# Altium PCB openmv-stm32n.PcbDoc (part 4 of 5) (continued)
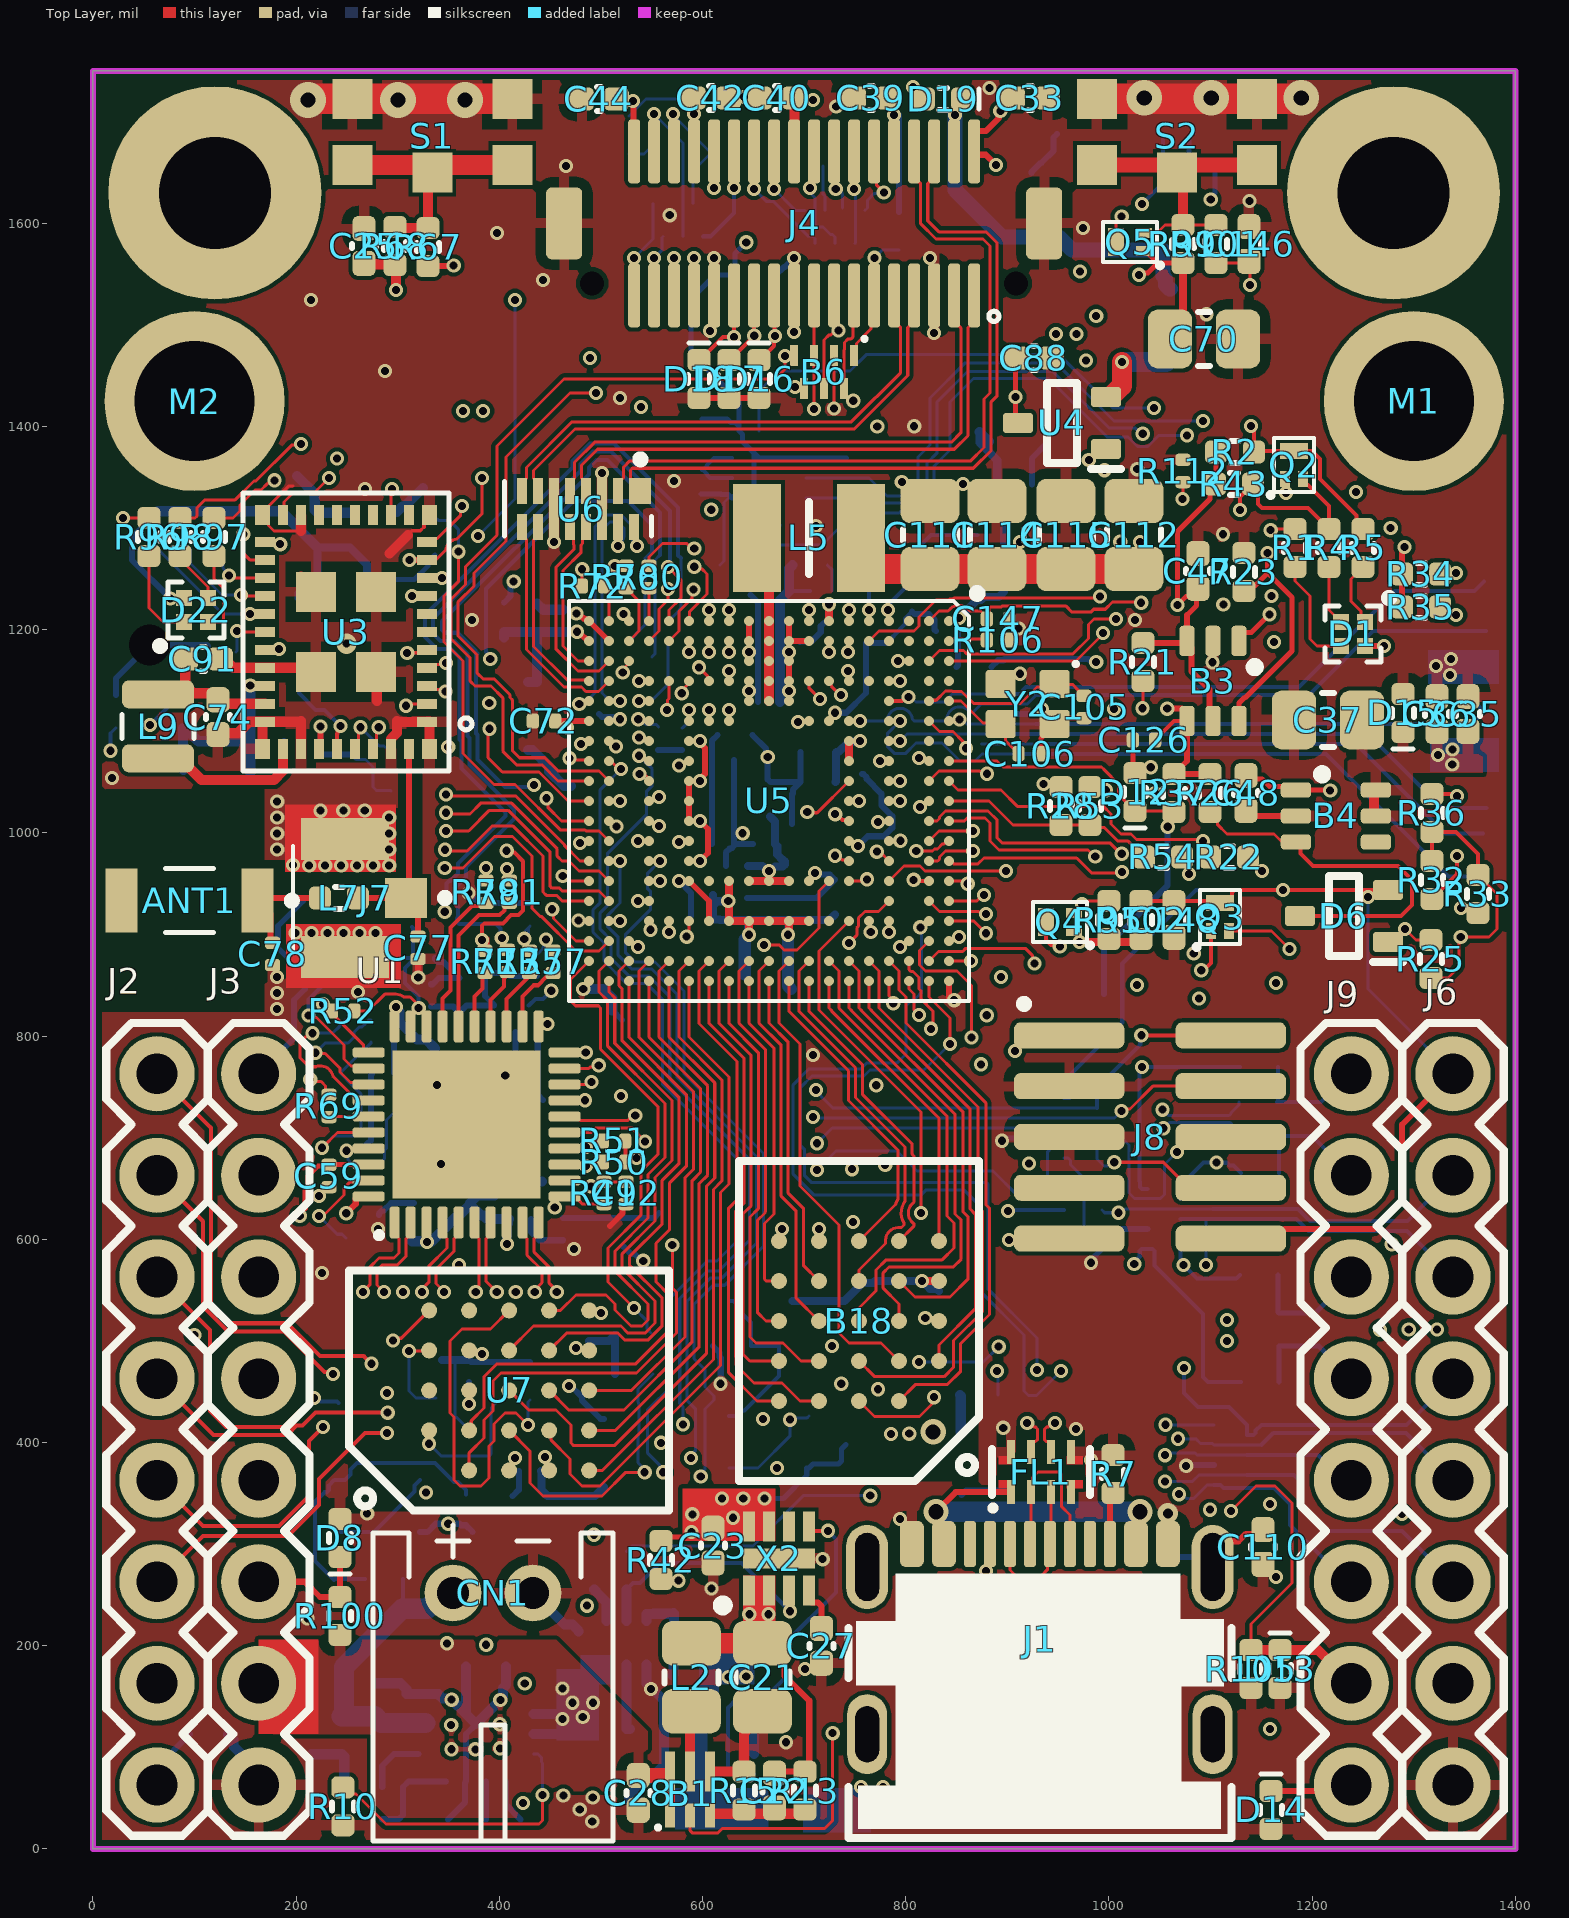
[diagram p0: Top Layer view]
## Nets (pads, with @x,y where several pads share a name; then routed paths per layer and width w, separated by ;. In a path a pad name is that pad's centre, name@x,y a point inside that pad or via, vN(x,y) a via of type N, cw(c..) or ccw(c..) an arc to the next point about the centre after c; other vN are vias at no path point) (continued)
  Bottom Layer w8: R91.1@343.5,481.3 356.7,481.3 369.91,481.3 C17.1@370.08,481.47 ; C18.1@441.12,372.05 441.33,371.84 441.33,353.36 C66.2@447.24,347.44 494.09,347.44 C67.2@502.95,356.3 ; C16.1@488.19,499.83 507.7,499.83 R89.1@513.78,505.91 R92.1@513.78,467.52 ; C125.1@610.41,938.98 610.41,928.64 ; v1(625.2,933.03) 624.97,932.79 614.56,932.79 610.41,928.64 ; v1(645.67,899.9) 644.68,900.89 644.68,913.21 C122.1@643.7,914.2 ; v1(684.04,899.9) 684.54,900.4 684.54,913.7 C121.1@685.04,914.2 ; D9.1@688.48,539.37 739.76,539.37 757.47,557.09 C69.1@767.72,557.09 769.69,559.06 v1(815.94,559.06) 823.63,551.39 830.68,551.39 C20.1@832.68,549.39 ; C144.1@730.32,919.88 724.63,914.2 C119.1@705.71,914.2 C121.1@685.04,914.2 ; 610.41,928.64 C124.1@610.41,918.31 610.41,916.81 612.41,914.81 616.49,914.81 617.1,914.2 C122.1@643.7,914.2 ; C122.1@643.7,914.2 C123.1@664.37,914.2 C121.1@685.04,914.2
  Bottom Layer w12: C142.2@641.5,860.72 641.5,895.19 645.67,899.36 v1(645.67,899.9) ; v1(684.04,899.9) 684.04,849.42 C96.2@687.01,846.46
  other v1: 829.72,31.5 819.88,53.15 755.91,61.02 777.56,61.02 800.2,62.01 817.91,71.85 444.88,385.83 382.87,487.2 475.35,493.1 714.57,610.24
VCC_3.3V: C21.1 C22.2 C70.2 C71.1 C73.1 C81.1 C83.1 L2.2 Q4.1 Q5.1 R13.2 R95.2 R99.2 R102.1 U4.1 U5.J14 U5.K14 U5.L14 X2.1 X2.2 | length 2920
  Top Layer w5: v1(1029.44,1549.37) 1031.13,1551.06 1038.26,1551.06 1048.23,1561.02 ; Q5.1@1034.45,1572.83 1037.4,1572.83 1039.82,1570.41 1039.82,1569.43 1048.23,1561.02 ; R99.2@1072.83,1561.02 1048.23,1561.02
  Top Layer w6: C21.1@662.39,202.46 680.72,184.13 680.72,170.28 705,146 705,80.45 R13.2@700.75,76.2 670.75,76.2 C22.2@670.75,74.62
  Top Layer w8: U5.L14@645.67,952.76 U5.K14@665.35,952.76 U5.J14@685.04,952.76 ; v1(971.07,892.8) 1028.63,892.8 R102.1@1031.5,895.67 ; C70.2@1060.04,1486.22 1072.83,1499.02 R99.2@1072.83,1561.02
  Top Layer w20: L2.2@589,202.46 C21.1@662.39,202.46
  L4 w8: v1(980.17,1367.19) 980.17,1426.03 995.08,1440.94 995.08,1488.19 1007.87,1500.98 1007.87,1527.8 v1(1029.44,1549.37)
  L5Z w8: v1(665.35,962.6) 665.35,946.85 745.08,867.13 848.43,867.13 876.97,838.58 933.07,838.58 971.07,876.58 v1(971.07,892.8) 954.72,909.15 954.72,1341.75 v1(980.17,1367.19)
  L7P w8: 623.03,858.27 801.18,858.27 839.57,819.88 858.27,819.88 864.63,826.24 864.63,826.78 878.39,840.55 930.12,840.55 971.07,881.51 v1(971.07,892.8) ; v1(646,231) 646,294.62 710.63,359.25 710.63,538.39 733.27,561.02 733.27,613.19 623.03,723.43 623.03,908.46 665.35,950.79 v1(665.35,962.6)
  Bottom Layer w8: C71.1@644.86,967.52 658.81,967.52 663.73,962.6 v1(665.35,962.6) 666.98,962.6 671.35,966.97 678.93,966.97 680.93,968.97 C81.1@680.93,970.47 680.93,971.97 678.93,973.97 678.12,973.97 673.43,978.66 673.43,987.17 C83.1@671.43,989.17 671.43,1011.24 C73.1@666.34,1016.34 ; v1@1029.44,1547.75 v1(1029.44,1549.37)
  other v1: 665,231
VCC_3.3V_BAT: C86.1 C88.1 U4.3 U5.F1 | length 380.7
  Top Layer w5: C88.1@909.06,1467.52 907.88,1466.34 v1(907.88,1429.2) 907.88,1406.1 U4.3@910.43,1403.54
  L5Z w10: v1(744.09,1219.49) 744.09,1329.72 792.32,1377.95 856.63,1377.95 v1(907.88,1429.2)
VCC_3.3V_GATED: B3.3 B3.5 B4.1 B15.5 C13.1 C14.1 C15.1 C23.1 C24.1 C32.1 C33.2 C39.2 C40.2 C42.2 C43.1 C44.2 C45.1 C46.2 C47.2 C48.1 C75.1 C76.1 C89.1 C92.2 C93.2 C94.1 C113.2 D1.4 D4.1 D10.1 D14.1 D20.1 D22.4 J2.1 J4.2 J4.10 J4.20 J4.30 J4.36 J8.1 J9.1 L6.1 L8.1 R2.2 R19.1 R20.1 R21.2 R22.2 R24.2 R29.2 R30.2 R31.2 R42.2 R43.2 R53.1 R60.1 R61.2 R62.2 R63.2 R64.2 R65.2 R66.2 R67.2 U3.30 U3.36 U5.C3 U8.2 U8.3 U8.5 U8.8 U8.12 U9.5 U10.5 X1.1 X1.4 X2.7 X2.8 | length 3394.8
  Top Layer w5: R42.2@559.06,303.15 563.14,307.23 584.23,307.23 v1(589,312) ; 1076.77,1214.37 1086.18,1223.78 C47.2@1086.18,1239.33 ; C47.2@1087.6,1240.75 C47.2@1086.18,1239.33 ; R2.2@1105.31,1375 1105.31,1344.49 R43.2@1104.33,1343.5 1099.44,1338.62 1099.44,1328.77 1067.45,1296.78 v1(1067.45,1224.34) 1076.08,1232.97 1079.82,1232.97 C47.2@1086.18,1239.33 ; C48.1@1134.84,1056.5 1138.19,1053.15 1150.59,1053.15 1157.83,1045.91 1182.44,1045.91 B4.1@1186.02,1042.32 ; B4.1@1184.05,1042.32 B4.1@1186.02,1042.32 ; v1(1217.68,1041.77) 1217.13,1042.32 B4.1@1186.02,1042.32
  Top Layer w6: U3.36@222.43,1082.84 223.93,1084.34 223.93,1104.75 v1(223.81,1104.87) ; R67.2@329.72,1558.07 354.45,1558.07 v1(354.97,1558.59) ; C44.2@515.16,1722.44 516.14,1721.46 530.97,1721.46 532.1,1720.32 532.1,1671.45 J4.36@532.68,1670.87 ; J4.2@867.32,1670.87 867.32,1687.84 870.22,1690.75 878.71,1690.75 891.51,1703.54 891.51,1709.01 v1(893.04,1710.54) ; J4.2@870.22,1667.55 878.71,1667.55 v1(888.78,1657.48) ; R21.2@1033.46,1187.01 B3.3@1076.77,1187.01 ; 1076.77,1214.37 B3.3@1076.77,1188.98 B3.3@1076.77,1187.01 ; B3.5@1102.36,1112.2 1099.05,1115.52 1099.05,1141.11 1081.07,1159.08 1081.07,1182.71 B3.3@1076.77,1187.01 ; D14.1@1159.45,57.08 1232.66,57.08 J9.1@1238.58,63 ; D1.4@1251.97,1184.06 v1(1270.67,1184.06)
  Top Layer w10: J4.20@690.16,1670.87 690.35,1670.87 C40.2@690.35,1723.43
  L4 w5: v1(907.48,785.43) 992.13,785.43
  L4 w10: 228.35,875 230.32,876.97 418.85,876.97 v1(451.03,844.78) ; v1(792.32,1169.29) 852.36,1169.29 927.17,1094.49 942.91,1094.49 992.13,1143.7 1014.76,1143.7
  Bottom Layer w3: C93.2@254,1077.13 258.73,1072.39 268.16,1072.39 275.59,1064.96 275.59,1045.28 277.57,1043.3 279.15,1041.72 292.93,1041.72 R60.1@293.31,1041.34 ; R31.2@527.56,1705.71 544.29,1722.44 576.77,1722.44 v1(591.54,1707.68) ; R20.1@617.13,1263.78 621.06,1267.72 621.06,1325.22 625.56,1329.72 U8.5@628.85,1329.72
  Bottom Layer w4: L8.1@428.89,830.13 435.56,836.8 443.05,836.8 v1(451.03,844.78)
  Bottom Layer w5: X1.1@284.54,1249.63 316.55,1249.63 329.56,1262.63 329.56,1266.57 R62.2@336.61,1273.62 ; C45.1@598.57,1333.48 617.93,1333.48 618.18,1333.22 625.35,1333.22 U8.5@628.85,1329.72 630.97,1331.84 643.85,1331.84 ; C43.1@599.41,1407.65 624.08,1407.65 627.83,1403.91 632.33,1403.91 U8.8@635.83,1400.41 ; v1(642.97,1581.36) 631.89,1570.28 R29.2@631.89,1549.21 612.2,1549.21 588.58,1525.59 588.58,1472.44 R19.1@622.05,1438.98 635.83,1425.2 U8.8@635.83,1400.41 ; v1(661,345) 679.65,345 702.55,367.9 U9.5@702.55,375 ; U8.2@675.2,1302.91 U8.3@655.51,1302.91 655.51,1320.17 643.85,1331.84 ; U9.5@704.72,375 708.58,378.86 733.7,378.86 736.63,381.79 736.63,393.72 C14.1@741.14,398.23 ; C46.2@741.73,1369.09 U8.12@701.85,1369.09 655.51,1369.09 650.59,1374.02 ; U8.8@635.83,1400.41 U8.8@635.83,1395.91 639.33,1392.41 639.33,1385.28 650.59,1374.02 ; 643.85,1331.84 650.59,1338.58 650.59,1374.02
  Bottom Layer w6: J2.1@63,63 63,80.68 D4.1@95.32,113 ; R64.2@64,1316.7 38.39,1291.09 38.39,1268.56 v1(76.06,1230.89) ; v1(223.81,1104.87) 223.81,1077.31 C76.1@224,1077.13 C93.2@254,1077.13 ; U10.5@321.85,312.01 329.29,312.01 337.37,320.08 v1(349.67,320.08) 360.71,320.08 362.17,318.61 367.02,318.61 C15.1@373.62,312.01 ; L6.1@521.76,593.28 529.35,585.7 532.99,585.7 539.79,578.9 v1(541.63,578.9) ; v1(788.39,1706.69) 793.31,1706.69 R24.2@793.31,1611.22 ; C32.1@923.63,1649.57 923.63,1650.44 932.7,1659.51 933.58,1659.51 945.57,1671.51 945.57,1684.73 D20.1@948.82,1687.99
  Bottom Layer w8: X1.4@202.57,1231.23 202.57,1235.93 221,1254.36 C113.2@221,1280.87 C24.1@253,1280.87 269.74,1264.13 269.74,1234.92 X1.1@273.43,1231.23
  Bottom Layer w10: R64.2@64,1316.7 R66.2@96,1316.7 R63.2@127,1316.7 R65.2@158,1316.7 185.17,1316.7 C113.2@221,1280.87 ; C13.1@88.98,1062.01 88.58,1062.4 B15.5@88.58,1103.46 92.5,1103.46 97.77,1098.2 97.77,1096.25 103.71,1090.31 C75.1@153.55,1090.31 ; C92.2@154.84,1059.83 v1(154.84,1145.3)
  other v1: 630,326 589.93,329.38 619,345 640,345 1150.59,962.6 997.11,1042.03 531.5,1720.47 708.66,1721.46
VCC_SD_IO: B3.4 C126.1 C127.1 C140.1 C143.1 R25.1 R26.1 R32.1 R33.1 R34.1 R35.1 R36.1 R37.1 U5.F7 U5.F8 | length 1714
  Top Layer w3: R25.1@1316.93,857.28 1333.66,857.28 1344.49,868.11 1344.49,895.88 v1(1346.25,897.64) 1374.02,897.64 1381.89,905.51 1381.89,939.96 R33.1@1363.19,958.66
  Top Layer w4: C126.1@1045.45,1091.54 1045.45,1092.49 1049.37,1096.42 1050.33,1096.42 1064.15,1110.24 B3.4@1076.77,1110.24 ; R32.1@1317.91,972.44 R36.1@1317.91,1000.98 1341.54,1000.98 1363.19,979.33 R33.1@1363.19,958.66
  Top Layer w6: v1(1057.3,1122.35) 1071.9,1122.35 1076.77,1117.47 1076.77,1070.87 R37.1@1063.98,1058.07 R26.1@1099.41,1058.07 ; B3.4@1076.77,1096.46 B3.4@1076.77,1110.24 ; R35.1@1288.39,1222.44 R34.1@1288.39,1254.92 1288.39,1276.75 1290.97,1279.34 v1(1290.97,1281.51)
  Top Layer w8: U5.F8@744.09,1070.87 U5.F7@744.09,1090.55
  L7P w6: v1(754.92,1090.55) 755.04,1090.55 768.92,1104.44 768.92,1104.55 776.57,1112.2 776.57,1173.34 786.52,1183.29 806.87,1183.29 807.09,1183.07 983.27,1183.07 983.49,1182.85 996.8,1182.85 v1(1057.3,1122.35) 1057.3,1146.87 1110.24,1199.8 1123.03,1199.8 1135.83,1212.6 1135.83,1235.24 1149.61,1249.02 1258.48,1249.02 v1(1290.97,1281.51)
  L7P w8: v1(1290.97,1281.51) 1301.18,1271.3 1301.18,942.7 v1(1346.25,897.64)
  Bottom Layer w8: C140.1@730.71,1050.2 731.2,1050.69 731.2,1079.23 731.69,1079.72 733.73,1079.72 743.82,1089.82 754.19,1089.82 v1(754.92,1090.55)
VDD_CAP_0V8: C118.1 C120.1 U5.G1 | length 44.1
  Top Layer w8: U5.G1@724.41,1208.66 v1(724.41,1225.19)
  Bottom Layer w3: C120.1@722.83,1263.78 727.54,1259.08 C118.1@727.54,1238.19
VDD_CORE_0V8: C72.2 C82.2 C84.2 C85.2 C87.2 C90.2 C95.2 C111.2 C112.2 C114.2 C115.2 C116.1 L5.1 U5.G2 U5.P7 U5.P9 U5.P10 U5.P11 U5.P13 U5.W6 | length 1054.3
  Top Layer w6: C72.2@454.9,1110.24 U5.W6@488.19,1110.24 ; U5.P11@586.61,1011.81 U5.P10@586.61,1031.5 U5.P9@586.61,1051.18 ; v1(597.44,972.44) 605.32,980.32 605.32,1003.94 v1(597.44,1011.81) ; v1(597.44,1051.18) 597.44,1053.35 602.36,1058.27 602.36,1083.47 597.44,1088.39 v1(597.44,1090.55)
  Top Layer w30: L5.1@755.91,1290.35 755.91,1268.46 764.53,1259.84 C111.2@823.82,1259.84 C114.2@889.76,1259.84 C115.2@957.68,1259.84 C112.2@1024.61,1259.84
  L7P w6: 541.34,1043.31 542,1043.97 543.71,1043.97 556.1,1056.36 556.1,1068.9
  L7P w8: 541.34,1043.31 541,1042.97 528.44,1042.97 524.91,1046.5 514.97,1046.5 512.25,1049.21 506.89,1049.21 498.03,1058.07 498.03,1098.43 489.17,1107.28 471.61,1107.28 468.25,1103.93 v1(466.63,1103.93) 462.6,1103.93 462.6,1135.83 523.62,1196.85 672.24,1196.85 ; 556.1,1068.9 556.1,1082.68 563.98,1090.55 v1(597.44,1090.55)
  Bottom Layer w6: C90.2@609.08,989.17 C84.2@609.08,1071.85 609.08,1090.77 C95.2@614.76,1096.46
  other v1: 724.41,1178.15 912.4,1286.42 1030.51,1286.42 1011.18,1286.73
VDDA: C52.1 D19.1 J4.4 U11.5 | length 345.2
  Bottom Layer w15: v1(848.44,1706.81) 848.44,1632.86 894.68,1586.61 950.79,1586.61 963.58,1573.82 U11.5@1053.15,1573.82 1053.15,1548.14 1055.73,1545.56 1055.73,1539.35 1059.65,1535.43 C52.1@1060.63,1535.43
VIN: D7.1 J6.2 Q1.D
VIN_INT: C3.2 D3.1 IC1.3 Q1.S | length 288.2
  Bottom Layer w12: 875.81,132.15 875.81,115.69 891.46,100.04 892.68,100.04 903.54,89.17 903.54,84.64 IC1.3@939.45,84.64
  Bottom Layer w20: 875.81,132.15 875.81,202.35 907.64,234.17 907.64,235.39 911.42,239.17 Q1.S@982.28,239.17
VIN_LDO: C74.1 C91.2 L9.2 U3.31 | length 114.4
  Top Layer w10: C91.2@90.87,1174 90.87,1145.62 99,1137.5 121.68,1137.5 132.04,1127.13 U3.31@169.28,1127.13
WAKEUP: Q4.2 R95.1 U5.H4 | length 1467.2
  Top Layer w3: U5.H4@704.72,1149.61 704.92,1149.41 704.92,1142.48 v1(715.65,1131.75) ; v1(973.43,930.12) 976.4,930.12 979.35,933.07 R95.1@1000,933.07
  L3H w3: v1(715.65,1131.75) 717.84,1131.75 723.63,1137.55 723.63,1141 730.61,1147.98 730.61,1154.27 711.91,1172.97 711.91,1183.33 719.23,1190.65 814.96,1190.65 864.64,1140.97 920.5,1140.97 924.21,1144.68 1101.42,1144.68 1157.22,1200.49 1167.58,1200.49 1270.67,1097.4 1270.67,1077.81 1303.84,1044.64 1303.84,900.33 1296.52,893.01 1286.16,893.01 1278.84,900.33 1278.84,981 1267.72,992.13 1106.36,992.13 1105.48,993 1104.82,993.66 ccw(c1092.45,991.84) 1080.09,993.66 1079.43,993 1078.55,992.13 984.07,992.13 974.01,982.06 974.01,930.7 v1(973.43,930.12)
WIFI_CLK: U3.20 U5.B10 | length 1007
  Top Layer w3: U3.20@186.99,1313.16 187.95,1314.12 187.95,1325.75 196.92,1334.72 217.59,1334.72 v1(232.28,1349.41)
  L3H w3: v1(232.28,1349.41) 233.98,1351.11 362.11,1351.11 407.3,1305.92 598.11,1305.92 611.3,1292.72 611.3,1240.74 613.06,1238.99 634.06,1238.99 645.48,1227.56 645.48,1205.91 665.17,1186.23 665.17,1131.69 635.05,1101.56 611.7,1101.56 609.94,1099.81 609.94,1070.27 654.62,1025.59 674.2,1006.02 746.13,1006.02 763.45,1023.33 781.3,1023.33 785.63,1019 799.47,1019 804.89,1024.42 812.8,1024.42 v1(813.98,1025.59)
WIFI_CMD: R62.1 U3.22 U5.V12 | length 633.4
  Top Layer w3: v1(359.63,1276.9) 359.63,1247.42 345.47,1233.27 345.47,1187.99 364.17,1169.29 364.17,1078.28 394.72,1047.73 415.3,1047.73 460.3,1002.74 484.39,1002.74 485.16,1001.97 498.03,1001.97 U5.V12@507.87,992.13
  L3H w3: v1(184.22,1284.28) 187.2,1284.28 190.53,1287.61 191.16,1287.61 194.88,1291.34 357.87,1291.34 359.63,1289.58 v1(359.63,1276.9)
  Bottom Layer w3: R62.1@336.61,1311.02 339.95,1307.69 350.77,1307.69 359.63,1298.84 v1(359.63,1276.9)
WIFI_D0: R63.1 U3.24 U5.D15 | length 1921
  Top Layer w3: v1(133.9,1253.42) 136.88,1253.42 139.15,1251.15 U3.24@169.28,1251.15 ; v1(744.04,891.6) 751.88,899.44 751.88,906.65 753.52,908.29 753.52,916.45 759.88,922.81 773.2,922.81 U5.D15@783.46,933.07
  L3H w3: v1(240.18,1368.55) 416.88,1368.55 454.72,1330.71 967.52,1330.71 993.92,1357.11 v1(995.58,1357.11)
  L5Z w3: v1(133.9,1253.42) 171.04,1253.42 211.61,1294 211.61,1362.42 217.75,1368.55 v1(240.18,1368.55)
  L8V w3: v1(744.04,891.6) 772.22,863.42 774.33,863.42 800.49,837.26 800.49,812.74 834.39,778.84 863,778.84 939.12,854.96 939.12,1000.01 974.67,1035.56 974.67,1110.55 975.39,1111.28 975.39,1164.79 cw(c987.39,1168.3) 975.39,1171.82 975.39,1338.58 993.92,1357.11 v1(995.58,1357.11)
  Bottom Layer w3: R63.1@127,1279.3 127.97,1278.33 127.97,1260.68 133.9,1254.75 v1(133.9,1253.42)
WIFI_D1: R64.1 U3.26 U5.V17 | length 801.6
  Top Layer w3: v1(346.25,965.55) 364.17,965.55 395.2,996.58 412.87,996.58 432.09,977.36 432.09,925.88 440.03,917.94 441.25,917.94 475.33,883.86 498.03,883.86 U5.V17@507.87,893.7
  L3H w3: v1(154.53,1215.55) 154.53,1187.99 139.76,1173.23 139.76,1074.86 161.05,1053.58 173.19,1053.58 176.44,1050.32 179.41,1050.32 cw(c181.27,1030.91) 183.05,1050.33 185.9,1050.33 ; 185.92,1050.31 189.45,1050.31 195.36,1044.4 293.25,1044.4 318.02,1019.63 318.02,967.31 319.78,965.55 v1(346.25,965.55)
  Bottom Layer w3: R64.1@64,1279.3 127.75,1215.55 v1(154.53,1215.55)
WIFI_D2: R65.1 U3.23 U5.B15 | length 1144.3
  Top Layer w3: v1(147.91,1294.04) 147.91,1275.32 154.36,1268.87 U3.23@169.28,1268.87 ; U5.B15@822.83,933.07 833.1,922.81 871.68,922.81 872.11,922.38 876.83,922.38 v1(878.94,920.28)
  L3H w3: v1(147.91,1294.04) 149.42,1292.54 149.42,1285.29 160.76,1273.95 206.69,1228.01 206.69,1194.96 209.57,1192.08 209.57,1141.71 206.69,1138.83 206.69,1098.43 217.32,1087.8 309.25,1087.8 331.87,1065.18 357.7,1065.18 374.13,1048.76 374.13,1033.28 419.66,987.74 419.66,972.31 421.74,970.24 467.59,970.24 485.26,952.57 540.21,952.57 545.57,957.93 545.57,977.62 552.89,984.94 563.25,984.94 589.27,958.92 589.27,948.24 602.94,934.57 609.07,934.57 620.02,945.53 630.38,945.53 648.63,927.28 862.95,927.28 869.31,920.91 878.3,920.91 v1(878.94,920.28)
WIFI_D3: R66.1 U3.25 U5.W15 | length 746.1
  Top Layer w3: v1(145.67,1234.25) 146.49,1233.43 U3.25@169.28,1233.43 ; v1(346.47,983.55) 347.74,982.28 368.29,982.28 392.72,1006.7 413.57,1006.7 442.91,977.36 442.91,941.93 446.16,938.68 456.2,938.68 461.81,933.07 U5.W15@488.19,933.07
  L3H w3: v1(145.67,1234.25) 146.73,1234.25 152.93,1228.05 155.54,1228.05 cw(c155.54,1225.05) 156.17,1227.98 157.17,1227.77 cw(c154.53,1215.55) 162.5,1205.92 162.41,1205.83 161.53,1204.95 161.53,1185.09 156.5,1180.06 156.5,1162.4 167.34,1151.56 167.34,1140.12 146.76,1119.54 146.76,1077.76 163.94,1060.58 176.09,1060.58 179.26,1057.4 180.51,1057.4 ; 180.55,1057.4 cw(c181.27,1030.91) 183.35,1057.33 188.8,1057.33 ; 188.82,1057.31 192.35,1057.31 198.26,1051.4 296.15,1051.4 325.02,1022.53 325.02,992.64 334.12,983.55 v1(346.47,983.55)
  Bottom Layer w3: R66.1@96,1279.3 96,1265.22 126.97,1234.25 v1(145.67,1234.25)
WIFI_I2S_SCLK: U3.11 U5.A16 | length 1383.3
  Top Layer w3: U3.11@328.72,1286.58 332.14,1290 339.13,1290 361.85,1312.72 361.85,1320.45 v1(363.11,1321.72) ; U5.A16@842.52,913.39 866.94,913.39 v1(879.01,901.31)
  L3H w3: v1(363.11,1321.72) 363.11,1319.32 352.85,1309.06 140.75,1309.06 132,1300.31 132,1292.27 144.35,1279.92 144.88,1279.92 188.03,1236.78 188.03,1203.72 202.57,1189.18 202.57,1144.61 197.07,1139.11 197.07,1094.38 210.65,1080.8 306.35,1080.8 328.97,1058.18 354.81,1058.18 367.13,1045.86 367.13,965.55 379.63,953.05 401.32,953.05 409.13,945.24 478.62,945.24 478.96,945.57 541.59,945.57 559.59,927.57 600.05,927.57 607.34,920.28 860.05,920.28 v1(879.01,901.31)
WIFI_I2S_SDI: R104.1 U3.10 U5.T10 | length 773.7
  Top Layer w3: U3.10@328.44,1268.59 U3.10@328.72,1268.87 337.61,1268.87 347.23,1278.49 cw(c359.63,1276.9) 358.03,1289.29 382.87,1314.14 v1(382.87,1349.41)
  Top Layer w6: v1(311.42,1268.59) U3.10@328.44,1268.59
  L3H w3: v1(382.87,1349.41) 419.29,1312.99 599.46,1312.99 601.49,1315.02 602.4,1315.02 605.59,1318.21 v1(608.56,1318.21)
  L8V w3: v1(557.09,1035.43) 557.09,1084.59 563.92,1091.43 578.89,1091.43 592.26,1078.05 611.53,1078.05 670.28,1136.79 670.28,1259.84 616.06,1314.06 615.69,1314.06 611.54,1318.21 v1(608.56,1318.21)
WIFI_I2S_SDO: U3.9 U5.T7 | length 353.6
  L3H w3: v1(390.06,1128.03) 411.49,1128.03 435.04,1151.57 490.16,1151.57 503.94,1137.8 503.94,1108.93 508.83,1104.04 509.71,1103.16 ccw(c518.62,1111.92) 514.99,1099.96 517.12,1097.84 ccw(c518.7,1110.24) 518.38,1097.74 ccw(c518.7,1110.24) 519.78,1097.78 519.91,1097.78 521.15,1097.78 522.03,1096.9 524.97,1093.96 v1(537.52,1093.96)
  L8V w3: v1(343.5,1250.98) 343.5,1249.63 337.6,1243.73 337.6,1195.2 360.94,1171.87 360.94,1142.01 374.93,1128.03 v1(390.06,1128.03)
WIFI_I2S_WS: U3.8 U5.A14 | length 804.3
  Top Layer w3: U5.A14@842.52,952.76 842.56,952.71 855.3,952.71 857.91,950.1 v1(860.89,950.1)
  L3H w3: v1(349.57,1084.68) 351.64,1082.62 360.07,1082.62 420.96,1021.73 491.25,1021.73 494.22,1018.76 520.38,1018.76 522.06,1017.08 531.2,1017.08 536.66,1011.63 540.21,1011.63 547.89,1019.31 562.26,1019.31 564.59,1016.99 570.57,1016.99 576.51,1011.05 579,1011.05 592.26,1024.31 602.62,1024.31 609.94,1016.99 609.94,987.52 616.94,980.52 616.94,961.28 618.7,959.53 636.18,959.53 654.33,941.38 852.17,941.38 v1(860.89,950.1)
  L8V w3: v1(313.98,1233.27) 328.74,1218.5 328.74,1103.3 347.36,1084.68 v1(349.57,1084.68)
WL_H_WAKE: R61.1 U3.27 U5.C17 | length 993.8
  Top Layer w3: v1(141.73,1198.82) 142.55,1198 U3.27@169.28,1198
  L3H w3: v1(141.73,1198.82) 131.89,1188.98 131.89,1072.83 158.15,1046.58 170.29,1046.58 173.56,1043.31 179.5,1043.31 ccw(c179.48,1046.31) 179.78,1043.32 cw(c181.27,1030.91) 182.7,1043.33 ccw(c183.07,1046.31) 183.03,1043.31 186.56,1043.31 192.46,1037.4 290.35,1037.4 311.02,1016.73 311.02,939.96 341.96,909.02 418.32,909.02 446.74,937.44 512.32,937.44 529.19,920.57 595.42,920.57 602.48,913.51 604.21,913.51 605.31,912.4 692.91,912.4 726.21,879.1 749.22,879.1 757.91,887.8 v1(794.29,887.8)
  Bottom Layer w3: R61.1@140.75,1178.15 141.73,1179.13 v1(141.73,1198.82)
WL_REG_ON: U3.28 U5.W13 | length 450.2
  Top Layer w3: v1(347.44,1037.97) 349.11,1036.3 416.28,1036.3 463.91,988.67 463.91,987.86 479.33,972.44 U5.W13@488.19,972.44
  L3H w3: v1(183.07,1181.1) 183.07,1081.75 193.49,1071.33 198.13,1071.33 202.66,1066.8 300.55,1066.8 329.38,1037.97 v1(347.44,1037.97)
XSPIM_P1_CLK_P: B18.B2 U5.J18 | length 465.2
  Top Layer w3: U5.J18@685.04,874.02 675.2,864.17 675.2,812.99 695.87,792.32 695.87,652.56 734.25,614.17 734.25,507.87 744.09,498.03 775.59,498.03 B18.B2@793.31,480.31
XSPIM_P1_DQS0: B18.C3 U5.G18 | length 476.3
  Top Layer w3: U5.G18@724.41,874.02 734.25,864.17 734.25,827.53 840.55,721.23 840.55,623.03 847.44,616.14 847.44,591.54 835.74,579.83 780.65,579.83 770.76,569.94 770.76,549.3 753.94,532.48 B18.C3@753.94,519.68
XSPIM_P1_DQS1: B18.B3 U5.E18 | length 561.1
  Top Layer w3: B18.B3@753.94,480.31 769.31,464.94 837.77,464.94 846.95,474.11 846.95,500.44 875.44,528.93 875.44,627.74 871.03,632.15 871.03,730.35 773.62,827.76 773.62,864.17 U5.E18@763.78,874.02
XSPIM_P1_IO0: B18.D3 U5.H18 | length 385.5
  Top Layer w3: U5.H18@704.72,874.02 694.88,864.17 694.88,824.48 750.53,768.84 750.53,739.57 799.21,690.89 799.21,637.48 ccw(c814.96,625.98) 798.14,616.11 798.14,615.33 798.14,614.09 795.81,611.75 794.56,611.75 794.44,611.75 ccw(c793.31,598.43) 779.98,597.29 779.98,597.17 779.98,595.93 753.94,569.88 B18.D3@753.94,559.06
XSPIM_P1_IO1: B18.D2 U5.F18 | length 443.5
  Top Layer w3: U5.F18@744.09,874.02 753.94,864.17 753.94,827.76 756.78,824.91 756.78,824.8 856.41,725.17 856.41,626.97 861.44,621.94 861.44,561.24 843.5,543.31 809.06,543.31 B18.D2@793.31,559.06
XSPIM_P1_IO2: B18.C4 U5.K18 | length 382.9
  Top Layer w3: U5.K18@665.35,874.02 655.51,864.17 655.51,812.88 677.28,791.11 677.28,642.61 692.15,627.73 692.15,542.1 B18.C4@714.57,519.68
XSPIM_P1_IO3: B18.D4 U5.K19 | length 315.7
  Top Layer w3: U5.K19@665.35,854.33 665.35,812.94 684.28,794.01 684.28,645.51 699.15,630.63 699.15,574.47 B18.D4@714.57,559.06
XSPIM_P1_IO4: B18.D5 U5.L19 | length 322.7
  Top Layer w3: U5.L19@645.67,854.33 645.67,812.82 670.28,788.22 670.28,625 660.88,615.6 660.88,560.81 662.63,559.06 B18.D5@675.2,559.06
XSPIM_P1_IO5: B18.E3 U5.J19 | length 315.7
  Top Layer w3: U5.J19@685.04,854.33 685.04,824.43 743.53,765.94 743.53,736.67 792.21,687.99 792.21,639.58 ccw(c814.96,625.98) 789.79,634.28 B18.E3@753.94,598.43
XSPIM_P1_IO6: B18.E2 U5.H19 | length 308.2
  Top Layer w3: U5.H19@704.72,854.33 704.72,824.54 757.53,771.73 757.53,742.47 806.21,693.79 806.21,683.89 807.96,682.14 807.96,636.58 807.08,635.71 806.99,635.61 ccw(c814.96,625.98) 806.9,616.43 806.98,616.35 807.86,615.47 807.86,614.22 807.86,612.98 B18.E2@793.31,598.43
XSPIM_P1_IO7: B18.E1 U5.G19 | length 300.8
  Top Layer w3: U5.G19@724.41,854.33 724.41,827.76 727.25,824.91 727.25,824.63 832.68,719.2 B18.E1@832.68,598.43
XSPIM_P1_IO8: B18.C2 U5.F19 | length 455.6
  Top Layer w3: U5.F19@744.09,854.33 744.09,827.76 746.94,824.91 746.94,824.74 848.48,723.2 848.48,625 854.44,619.04 854.44,580.55 846.72,572.83 783.55,572.83 777.76,567.04 777.76,551.97 793.31,536.42 B18.C2@793.31,519.68
XSPIM_P1_IO9: B18.B1 U5.E19 | length 432.2
  Top Layer w3: U5.E19@763.78,854.33 763.78,827.76 766.62,824.91 766.62,824.86 863.41,728.07 863.41,629.87 868.44,624.84 868.44,531.83 832.68,496.06 B18.B1@832.68,480.31
XSPIM_P1_IO10: B18.A2 U5.D18 | length 529.4
  Top Layer w3: U5.D18@783.46,874.02 793.31,864.17 793.31,845.47 800.2,838.58 800.2,812.99 878.82,734.37 878.82,634.26 882.44,630.64 882.44,526.03 853.95,497.54 853.95,470.24 841.01,457.3 809.66,457.3 B18.A2@793.31,440.94
XSPIM_P1_IO11: B18.A4 U5.N19 | length 492.1
  Top Layer w3: U5.N19@606.3,854.33 606.3,812.59 640.86,778.03 640.86,636.05 632.65,627.85 632.65,484.2 632.87,483.98 632.87,476.38 650.59,458.66 678.15,458.66 695.87,440.94 B18.A4@714.57,440.94
XSPIM_P1_IO12: B18.A5 U5.N18 | length 489.2
  Top Layer w3: U5.N18@606.3,874.02 596.46,864.17 596.46,812.54 633.86,775.14 633.86,638.95 625.65,630.75 625.65,468.83 653.54,440.94 B18.A5@675.2,440.94
XSPIM_P1_IO13: B18.B4 U5.M19 | length 443.5
  Top Layer w3: U5.M19@625.98,854.33 625.98,812.71 654.86,783.83 654.86,630.25 646.65,622.05 646.65,503.94 652.56,498.03 679.13,498.03 696.85,480.31 B18.B4@714.57,480.31
XSPIM_P1_IO14: B18.B5 U5.M18 | length 445.9
  Top Layer w3: U5.M18@625.98,874.02 616.14,864.17 616.14,812.65 647.86,780.93 647.86,633.15 639.65,624.95 639.65,487.1 646.44,480.31 B18.B5@675.2,480.31
XSPIM_P1_IO15: B18.C5 U5.L18 | length 388.8
  Top Layer w3: U5.L18@645.67,874.02 635.83,864.17 635.83,812.77 661.42,787.17 661.86,786.73 661.86,627.35 661.42,626.91 661.42,626.04 653.88,618.5 653.88,528.21 662.4,519.68 B18.C5@675.2,519.68
XSPIM_P1_NCS1: B18.A3 R93.2 U5.F16 | length 621.8
  Top Layer w3: U5.F16@744.09,913.39 714.57,883.86 714.57,825.79 814.96,725.39 v1(814.96,625.98) ; B18.A3@753.94,440.94 769.17,425.71 813.5,425.71 825.75,437.96 825.75,442.62 v1(827.86,444.72)
  L8V w3: v1(814.96,625.98) 831.69,609.25 831.69,451.54 827.86,447.7 v1(827.86,444.72)
XSPIM_P2_CLK_N: U5.R16 U7.B1 | length 695.6
  Top Layer w3: U7.B1@370.26,372.63 370.26,389.94 384.84,404.53 384.84,422.24 393.7,431.1 393.7,460.63 401.57,468.5 534.95,468.5 574.25,507.81 574.25,548.02 570.18,552.1 v1(570.18,594.5)
  L8V w3: v1(566.93,902.56) 566.93,601.76 567.04,601.65 567.04,600.62 570.18,597.48 v1(570.18,594.5)
XSPIM_P2_CLK_P: U5.U19 U7.B2 | length 645.1
  Top Layer w3: U7.B2@370.26,412 372.31,414.05 372.31,421.45 384.84,433.98 384.84,464.82 397.22,477.2 533.75,477.2 567.25,510.7 567.25,545.12 554.13,558.24 554.13,596.13 567.25,609.25 567.25,655.19 583.98,671.92 583.98,742.45 527.56,798.87 U5.U19@527.56,854.33
XSPIM_P2_DQS0: U5.R19 U7.C3 | length 653.4
  Top Layer w3: U7.C3@409.63,451.37 428.91,432.09 455.71,432.09 470.47,417.32 470.47,399.61 473.1,396.98 513.12,396.98 603.68,487.54 603.68,652.02 611.98,660.33 611.98,754.04 566.93,799.1 U5.R19@566.93,854.33
XSPIM_P2_INT#: R89.2 U5.W18 U7.A5 | length 783.9
  Top Layer w3: v1(295.35,500.62) 297.45,502.72 303.5,502.72 U7.A5@330.89,530.11 ; U5.W18@488.19,874.02 470.04,855.86 470.04,834.88 474.95,829.96 497.38,829.96 499.56,827.78 499.56,787.27 555.98,730.85 555.98,683.52 539.25,666.79 539.25,623.9 506.89,591.54 506.89,558.07 v1(532.48,532.48)
  L5Z w3: v1(295.35,500.62) 295.35,522.71 303.15,530.51 472.44,530.51 486.22,544.29 520.67,544.29 v1(532.48,532.48)
  Bottom Layer w3: v1(532.48,532.48) 545.43,519.53 545.43,511.66 R89.2@551.18,505.91
XSPIM_P2_IO0: U5.T19 U7.D3 | length 556.1
  Top Layer w3: U7.D3@449,451.37 468.28,432.09 522.64,432.09 589.68,499.13 589.68,657.82 597.98,666.13 597.98,748.24 547.24,798.98 U5.T19@547.24,854.33
XSPIM_P2_IO1: U5.P19 U7.D2 | length 651.8
  Top Layer w3: U7.D2@449,412 450.92,410.08 450.92,402.42 469.49,383.86 469.49,369.09 481.3,357.28 499.02,357.28 617.68,475.94 617.68,646.22 625.98,654.53 625.98,759.84 586.61,799.21 U5.P19@586.61,854.33
XSPIM_P2_IO2: U5.V19 U7.C4 | length 556.6
  Top Layer w3: U7.C4@409.63,490.74 433.62,514.74 519.66,514.74 526.63,507.76 543.25,507.76 553.25,517.77 553.25,539.32 520.89,571.69 520.89,585.74 553.25,618.1 553.25,660.99 569.98,677.72 569.98,736.65 513.56,793.07 513.56,837.82 507.87,843.5 U5.V19@507.87,854.33
XSPIM_P2_IO3: U5.U18 U7.D4 | length 548.5
  Top Layer w3: U7.D4@449,490.74 466,507.74 516.76,507.74 523.73,500.76 546.15,500.76 560.25,514.87 560.25,542.22 527.89,574.59 527.89,582.84 560.25,615.2 560.25,658.09 572.72,670.56 576.98,674.82 576.98,739.55 520.56,795.97 520.56,846.92 517.72,849.76 517.72,864.17 U5.U18@527.56,874.02
XSPIM_P2_IO4: U5.V18 U7.D5 | length 540.1
  Top Layer w3: U7.D5@449,530.11 460.23,530.11 475.39,545.28 504.92,545.28 513.78,536.42 513.78,530.51 529.53,514.76 540.35,514.76 546.25,520.67 546.25,536.43 513.89,568.79 513.89,588.64 546.25,621 546.25,663.89 562.98,680.62 562.98,733.75 506.56,790.17 506.56,834.92 498.03,843.45 498.03,864.17 U5.V18@507.87,874.02
XSPIM_P2_IO5: U5.T18 U7.E3 | length 515.9
  Top Layer w3: U7.E3@488.37,451.37 530.11,451.37 582.68,503.94 582.68,660.72 590.98,669.02 590.98,745.35 537.4,798.93 537.4,864.17 U5.T18@547.24,874.02
XSPIM_P2_IO6: U5.R18 U7.E2 | length 549.5
  Top Layer w3: U7.E2@488.37,412 514.36,412 596.68,494.32 596.68,654.92 604.98,663.23 604.98,751.14 557.09,799.04 557.09,864.17 U5.R18@566.93,874.02
XSPIM_P2_IO7: U5.P18 U7.E1 | length 584.8
  Top Layer w3: U7.E1@488.37,372.63 501.57,372.63 610.68,481.74 610.68,649.12 618.98,657.43 618.98,756.94 576.77,799.16 576.77,864.17 U5.P18@586.61,874.02